# KiCad board k410t-devboard.kicad_pcb (continued)
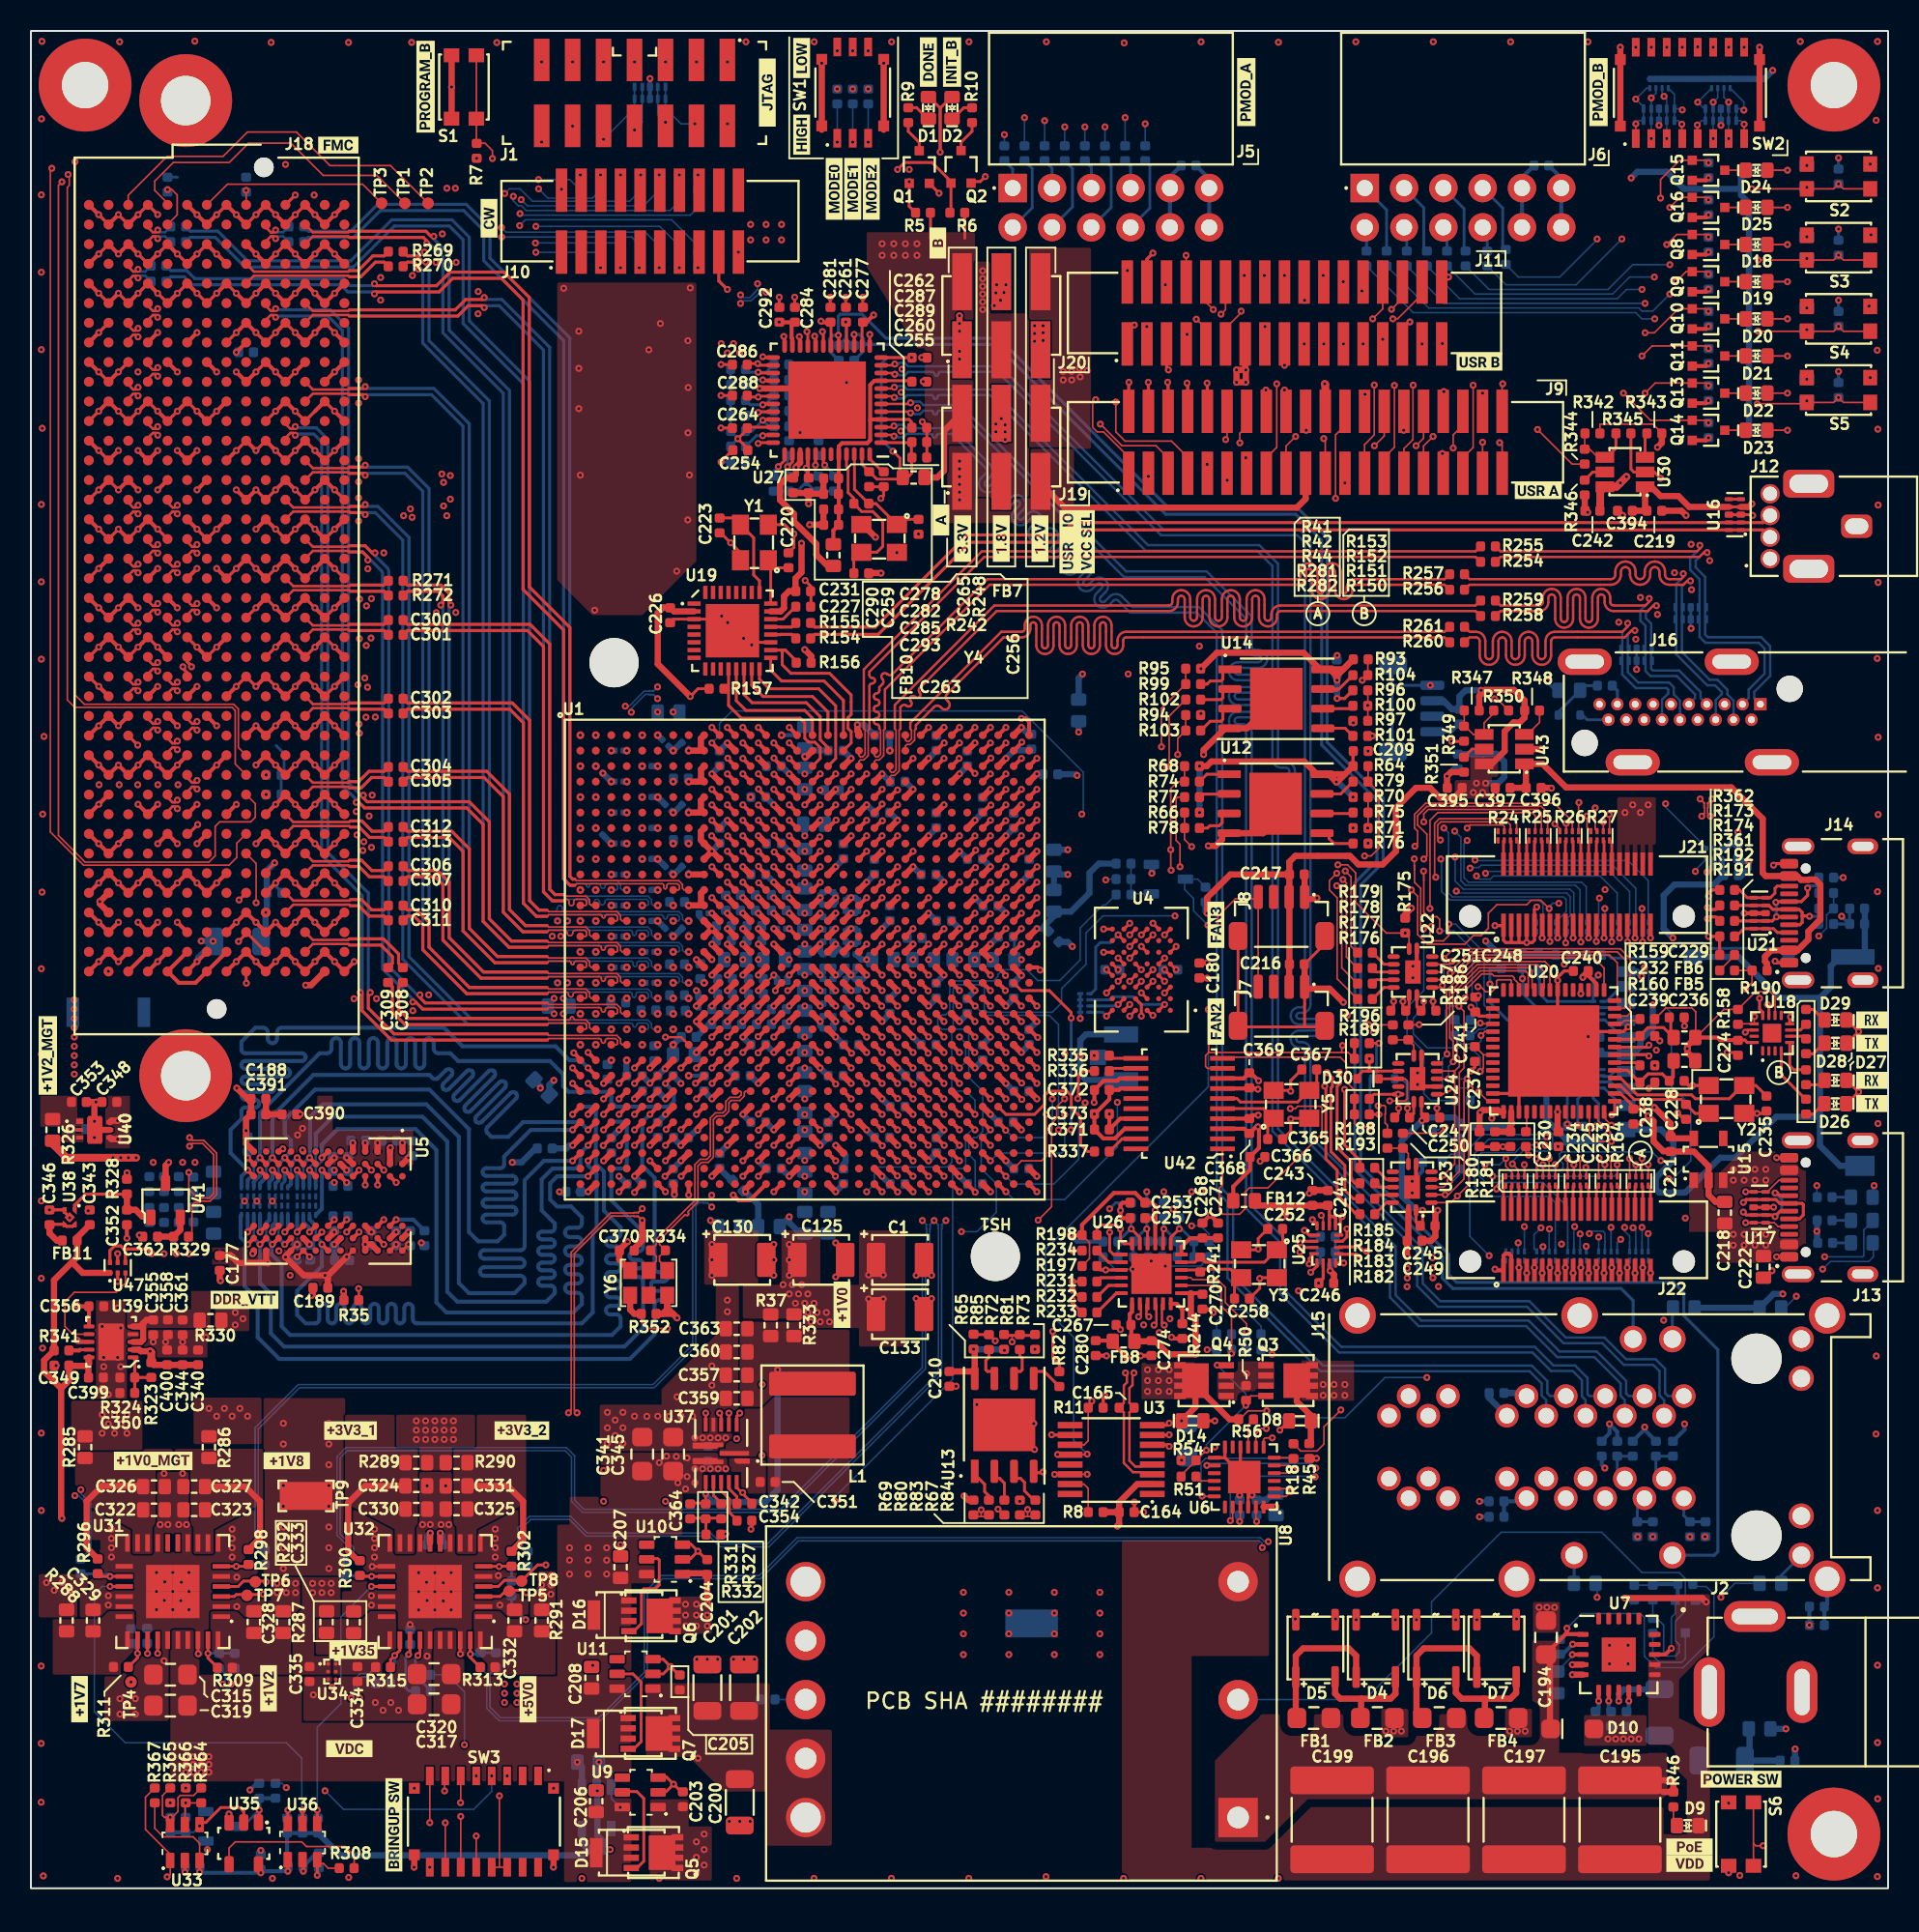
[diagram p0: board, top side]
## Routing (per net, layer and track width the routed paths; a pad name or vN(x,y) marks a point on that pad's centre or on a via; arc(x,y) is an arc through that point) (continued)
/FMC+ HSPC/FMC.IO21_P: length 66.3
  Top w0.16: v1(6.92,96.98) 6.78,96.83 6.61,96.83 6.29,97.15 J18.K10
  Top w0.256: U1.D14 48.02,71.98 v1(48.01,71.98)
  In5.Cu w0.1: 50.69,76.59 50.65,76.55 50.65,72.65 50.4,72.4 48.4,72.4 48,72
  In5.Cu w0.114: v1(6.92,96.98) 7.05,96.84 8.84,96.84 9.48,97.48 17.68,97.48 18.94,98.74 30.56,98.74 31.9,97.4 arc(32.05,97.34) 32.19,97.4 32.41,97.61 arc(32.75,97.76) 33.1,97.61 arc(33.25,97.26) 33.1,96.92 32.89,96.7 arc(32.83,96.56) 32.89,96.41 arc(33.04,96.35) 33.18,96.41 33.4,96.62 arc(33.74,96.77) 34.09,96.62 arc(34.24,96.27) 34.09,95.93 33.88,95.71 arc(33.82,95.57) 33.88,95.42 50.69,78.61 50.69,76.59
/FMC+ HSPC/FMC.IO22_N: length 93.4
  Top w0.16: v1(9.46,69.75) 9.32,69.9 9.15,69.9 8.83,69.58 8.83,69.39
  Top w0.256: U1.A13 v1(47,75)
  In3.Cu w0.114: v1(27.1,91.27) 27.1,91.04 28.25,89.88 28.25,89.13 arc(28.31,88.99) 28.46,88.93 28.9,88.93 arc(29.25,88.78) 29.4,88.43 arc(29.25,88.08) 28.9,87.94 27.32,87.94 arc(27.17,87.88) 27.11,87.73 arc(27.17,87.59) 27.32,87.53 28.9,87.53 arc(29.25,87.38) 29.4,87.03 arc(29.25,86.68) 28.9,86.54 27.32,86.54 arc(27.17,86.48) 27.11,86.33 arc(27.17,86.19) 27.32,86.13 28.9,86.13 arc(29.25,85.98) 29.4,85.63 arc(29.25,85.28) 28.9,85.14 27.32,85.14 arc(27.17,85.08) 27.11,84.93 arc(27.17,84.79) 27.32,84.73 28.9,84.73 arc(29.25,84.58) 29.4,84.23 arc(29.25,83.88) 28.9,83.74 28.46,83.74 arc(28.31,83.68) 28.25,83.53 28.25,81.77 arc(28.31,81.62) 28.46,81.56 28.9,81.56 arc(29.25,81.42) 29.4,81.07 arc(29.25,80.72) 28.9,80.57 27.32,80.57 arc(27.17,80.51) 27.11,80.37 arc(27.17,80.22) 27.32,80.16 28.9,80.16 arc(29.25,80.02) 29.4,79.67 arc(29.25,79.32) 28.9,79.17 28.46,79.17 arc(28.31,79.11) 28.25,78.97 28.25,78.45 26.98,77.17 arc(26.63,77.03) 26.28,77.17 25.98,77.47 arc(25.84,77.53) 25.69,77.47 arc(25.63,77.32) 25.69,77.18 26.78,76.09 arc(26.92,75.74) 26.78,75.39 arc(26.43,75.25) 26.08,75.39 24.99,76.48 arc(24.85,76.54) 24.7,76.48 arc(24.64,76.33) 24.7,76.19 25.79,75.1 arc(25.93,74.75) 25.79,74.4 arc(25.44,74.26) 25.09,74.4 24.79,74.7 arc(24.65,74.76) 24.5,74.7 20.96,71.16 13.26,71.16 11.44,69.34 10.32,69.34 9.77,69.89 9.59,69.89 v1(9.46,69.75)
  In5.Cu w0.1: v1(47,75) 46.6,74.6 44.79,74.6 44.6,74.79 44.6,76.55 44.64,76.59
  In5.Cu w0.114: 44.64,76.59 44.64,77.63 31.73,90.54 27.59,90.54 27.1,91.04 v1(27.1,91.27)
/FMC+ HSPC/FMC.IO22_P: length 93.7
  Top w0.16: v1(9.46,70.31) 9.32,70.16 9.15,70.16 8.83,70.48 8.83,70.66
  Top w0.256: U1.B13 v1(47,74)
  In3.Cu w0.114: v1(26.66,90.83) 26.9,90.83 27.97,89.77 27.97,89.13 arc(28.11,88.78) 28.46,88.64 28.9,88.64 arc(29.05,88.58) 29.11,88.43 arc(29.05,88.29) 28.9,88.23 27.32,88.23 arc(26.97,88.08) 26.82,87.73 arc(26.97,87.38) 27.32,87.24 28.9,87.24 arc(29.05,87.18) 29.11,87.03 arc(29.05,86.89) 28.9,86.83 27.32,86.83 arc(26.97,86.68) 26.82,86.33 arc(26.97,85.98) 27.32,85.84 28.9,85.84 arc(29.05,85.78) 29.11,85.63 arc(29.05,85.49) 28.9,85.43 27.32,85.43 arc(26.97,85.28) 26.82,84.93 arc(26.97,84.58) 27.32,84.44 28.9,84.44 arc(29.05,84.38) 29.11,84.23 arc(29.05,84.09) 28.9,84.03 28.46,84.03 arc(28.11,83.88) 27.97,83.53 27.97,81.77 arc(28.11,81.42) 28.46,81.27 28.9,81.27 arc(29.05,81.21) 29.11,81.07 arc(29.05,80.92) 28.9,80.86 27.32,80.86 arc(26.97,80.72) 26.82,80.37 arc(26.97,80.02) 27.32,79.87 28.9,79.87 arc(29.05,79.81) 29.11,79.67 arc(29.05,79.52) 28.9,79.46 28.46,79.46 arc(28.11,79.32) 27.97,78.97 27.97,78.57 26.77,77.38 arc(26.63,77.32) 26.48,77.38 26.19,77.67 arc(25.84,77.82) 25.49,77.67 arc(25.34,77.32) 25.49,76.97 26.57,75.89 arc(26.63,75.74) 26.57,75.6 arc(26.43,75.54) 26.28,75.6 25.2,76.68 arc(24.85,76.83) 24.5,76.68 arc(24.35,76.33) 24.5,75.98 25.58,74.9 arc(25.64,74.75) 25.58,74.61 arc(25.44,74.55) 25.29,74.61 25,74.9 arc(24.65,75.05) 24.3,74.9 20.84,71.44 13.14,71.44 12.35,70.65 arc(12.15,70.57) 11.96,70.65 11.84,70.77 arc(11.65,70.85) 11.45,70.77 arc(11.37,70.57) 11.45,70.38 11.57,70.26 arc(11.65,70.07) 11.57,69.87 11.32,69.62 10.44,69.62 9.89,70.17 9.59,70.17 v1(9.46,70.31)
  In5.Cu w0.1: v1(47,74) 46.6,74.4 44.71,74.4 44.4,74.71 44.4,76.55 44.36,76.59
  In5.Cu w0.114: 44.36,76.59 44.36,77.52 31.62,90.26 27.48,90.26 26.9,90.83 v1(26.66,90.83)
/FMC+ HSPC/FMC.IO23_N: length 65.9
  Top w0.16: v1(8.19,93.88) 8.05,94.03 7.88,94.03 7.56,93.71 7.56,93.52
  Top w0.256: U1.B15 v1(49,74)
  In5.Cu w0.1: v1(49,74) 49.4,73.6 49.61,73.6 49.82,73.81 49.82,76.55 49.78,76.59
  In5.Cu w0.114: v1(8.19,93.88) 8.32,94.02 8.91,94.02 9.55,94.66 10.1,94.66 arc(10.25,94.6) 10.3,94.46 10.3,94.43 arc(10.36,94.29) 10.5,94.23 arc(10.65,94.29) 10.7,94.43 10.7,94.46 arc(10.76,94.6) 10.9,94.66 12.67,94.66 13.94,95.93 17.67,95.93 18.94,94.66 22.06,94.66 arc(22.41,94.8) 22.55,95.15 22.55,95.48 arc(22.61,95.63) 22.76,95.69 arc(22.9,95.63) 22.96,95.48 22.96,95.15 arc(23.11,94.8) 23.46,94.66 arc(23.81,94.8) 23.95,95.15 23.95,95.48 arc(24.01,95.63) 24.16,95.69 arc(24.3,95.63) 24.36,95.48 24.36,95.15 arc(24.51,94.8) 24.86,94.66 arc(25.21,94.8) 25.35,95.15 25.35,95.48 arc(25.41,95.63) 25.56,95.69 arc(25.7,95.63) 25.76,95.48 25.76,95.15 arc(25.91,94.8) 26.26,94.66 arc(26.61,94.8) 26.75,95.15 26.75,95.48 arc(26.81,95.63) 26.96,95.69 arc(27.1,95.63) 27.16,95.48 27.16,95.15 arc(27.31,94.8) 27.66,94.66 arc(28.01,94.8) 28.15,95.15 28.15,95.48 arc(28.21,95.63) 28.36,95.69 arc(28.5,95.63) 28.56,95.48 28.56,95.15 arc(28.71,94.8) 29.06,94.66 arc(29.41,94.8) 29.55,95.15 29.55,95.48 arc(29.61,95.63) 29.76,95.69 arc(29.9,95.63) 29.96,95.48 29.96,95.15 arc(30.11,94.8) 30.46,94.66 32.79,94.66 49.78,77.67 49.78,76.59
/FMC+ HSPC/FMC.IO23_P: length 66.2
  Top w0.16: v1(8.19,94.44) 8.05,94.29 7.88,94.29 7.56,94.61 7.56,94.79
  Top w0.256: U1.C15 v1(49,73)
  In5.Cu w0.1: 50.06,76.59 50.02,76.55 50.02,73.73 49.69,73.4 49.4,73.4 v1(49,73)
  In5.Cu w0.114: v1(8.19,94.44) 8.32,94.3 8.79,94.3 9.43,94.94 12.55,94.94 13.82,96.21 17.79,96.21 19.06,94.94 22.06,94.94 arc(22.2,95) 22.26,95.15 22.26,95.48 arc(22.41,95.83) 22.76,95.97 arc(23.11,95.83) 23.25,95.48 23.25,95.15 arc(23.31,95) 23.46,94.94 arc(23.6,95) 23.66,95.15 23.66,95.48 arc(23.81,95.83) 24.16,95.97 arc(24.51,95.83) 24.65,95.48 24.65,95.15 arc(24.71,95) 24.86,94.94 arc(25,95) 25.06,95.15 25.06,95.48 arc(25.21,95.83) 25.56,95.97 arc(25.91,95.83) 26.05,95.48 26.05,95.15 arc(26.11,95) 26.26,94.94 arc(26.4,95) 26.46,95.15 26.46,95.48 arc(26.61,95.83) 26.96,95.97 arc(27.31,95.83) 27.45,95.48 27.45,95.15 arc(27.51,95) 27.66,94.94 arc(27.8,95) 27.86,95.15 27.86,95.48 arc(28.01,95.83) 28.36,95.97 arc(28.71,95.83) 28.85,95.48 28.85,95.15 arc(28.91,95) 29.06,94.94 arc(29.2,95) 29.26,95.15 29.26,95.48 arc(29.41,95.83) 29.76,95.97 arc(30.11,95.83) 30.25,95.48 30.25,95.15 arc(30.31,95) 30.46,94.94 32.91,94.94 50.06,77.79 50.06,76.59
/FMC+ HSPC/FMC.IO24_N: length 93.8
  Top w0.16: v1(8.19,74.83) 8.05,74.98 7.88,74.98 7.56,74.66 7.56,74.47
  Top w0.256: U1.A15 v1(49,75)
  In7.Cu w0.1: v1(49,75) 48.14,75 47.35,75.79 47.35,76.55 47.39,76.59
  In7.Cu w0.114: v1(8.19,74.83) 8.06,74.97 6.97,74.97 6.21,74.21 4.07,74.21 3.51,74.77 3.51,75.72 arc(3.66,76.09) 4.03,76.24 4.42,76.24 arc(4.59,76.31) 4.66,76.47 arc(4.59,76.64) 4.42,76.7 4.03,76.7 arc(3.66,76.86) 3.51,77.22 3.51,98.95 7.41,102.84 7.41,103.37 7.86,103.82 20.3,103.82 22.2,101.92 23.27,101.92 47.39,77.79 47.39,76.59
/FMC+ HSPC/FMC.IO24_P: length 93.5
  Top w0.16: v1(8.19,75.39) 8.05,75.24 7.88,75.24 7.56,75.56 7.56,75.74
  Top w0.256: U1.B14 v1(48,74)
  In7.Cu w0.1: v1(48,74) 48,74.86 47.15,75.71 47.15,76.55 47.11,76.59
  In7.Cu w0.114: v1(8.19,75.39) 8.06,75.25 7.91,75.25 arc(7.75,75.32) 7.68,75.49 7.68,75.69 arc(7.61,75.86) 7.45,75.93 arc(7.28,75.86) 7.22,75.69 7.22,75.49 arc(7.15,75.32) 6.98,75.25 6.85,75.25 6.09,74.49 4.19,74.49 3.8,74.89 3.8,75.72 arc(3.87,75.89) 4.03,75.95 4.42,75.95 arc(4.79,76.11) 4.94,76.47 arc(4.79,76.84) 4.42,76.99 4.03,76.99 arc(3.87,77.06) 3.8,77.22 3.8,98.83 7.69,102.73 7.69,103.25 7.98,103.53 20.19,103.53 22.09,101.63 23.15,101.63 47.11,77.68 47.11,76.59
/FMC+ HSPC/FMC.IO25: length 54.3
  Top w0.198: J18.K28 v1(6.9,73.86)
  Top w0.256: U1.F16 v1(51,70)
  In3.Cu w0.114: v1(6.9,73.86) 6.3,73.26 6.3,68.63 8.03,66.9 21.3,66.9 v1(21.45,67.05)
  In7.Cu w0.1: v1(51,70) U1.F16 49.68,69.5 49.5,69.32 49.5,68.65 49.25,68.4 43.85,68.4 43.33,67.87 23.3,67.87 22.28,66.85 21.65,66.85 v1(21.45,67.05)
/FMC+ HSPC/FMC.PRSNT_M2C: length 98.2
  Top w0.1: 8.83,107.49 9.45,108.12 9.45,109.4 9.1,109.75 v1(8.83,109.75)
  Top w0.256: U1.H19 v1(54,68)
  In7.Cu w0.1: v1(54,68) 54.6,67.4 56.5,67.4 57.6,68.5 57.6,86.6 58.3,87.3 58.3,99.4 54.3,103.4 50.9,103.4 49.3,105 49.3,108.2 46.1,111.4 33.2,111.4 31.9,112.7 21,112.7 16.82,108.53 10.05,108.53 v1(8.83,109.75)
/FMC+ HSPC/FMC.~{PERST}: length 113.8
  Top w0.256: U1.G19 v1(54,69) ; 13.91,99.87 v1(13.27,99.24)
  In3.Cu w0.1: v1(13.27,99.24) 6.76,99.24 6.3,99.7 6.3,105.8 6.6,106.1 17.4,106.1 17.7,106.4 17.7,108.8 v1(18.3,109.4)
  In7.Cu w0.1: v1(54,69) 54.6,68.4 54.6,67.8 54.8,67.6 56.4,67.6 57.4,68.6 57.4,86.7 58.1,87.4 58.1,99.3 54.2,103.2 50.7,103.2 49.1,104.8 49.1,107.9 45.9,111.1 32.9,111.1 31.6,112.4 21.3,112.4 v1(18.3,109.4)
/FMC+ HSPC/GTR_REFCLK0_R_N: length 9.9
  Top w0.16: 20.57,104.12 20.5,104.19 14.41,104.19 13.91,103.68
  Top w0.201: 20.57,104.12 21.31,104.12 22.26,105.07 22.81,105.07 23.09,104.79
/FMC+ HSPC/GTR_REFCLK0_R_P: length 9.9
  Top w0.16: 20.57,104.52 20.5,104.45 14.41,104.45 13.91,104.95
  Top w0.201: 20.57,104.52 21.15,104.52 22.09,105.47 22.81,105.47 23.09,105.74
/FMC+ HSPC/GTR_REFCLK1_R_N: length 7
  Top w0.16: 20.64,83.8 20.57,83.87 16.95,83.87 J18.B21
  Top w0.201: 23.09,83.52 22.81,83.8 20.64,83.8
/FMC+ HSPC/GTR_REFCLK1_R_P: length 7
  Top w0.16: 20.64,84.2 20.57,84.13 16.95,84.13 16.45,84.63
  Top w0.201: 20.64,84.2 22.81,84.2 23.09,84.48
/FMC+ HSPC/GTR_REFCLK2_R_N: length 2.1
  Top w0.16: J18.K05 6.29,103.87 6.61,104.19 6.78,104.19 v1(6.92,104.04)
  Bottom w0.16: 7.76,103.8 7.38,104.19 7.06,104.19 v1(6.92,104.04)
/FMC+ HSPC/GTR_REFCLK2_R_P: length 2.1
  Top w0.16: J18.K04 6.29,104.77 6.61,104.45 6.78,104.45 v1(6.92,104.6)
  Bottom w0.16: 7.76,104.83 7.38,104.45 7.06,104.45 v1(6.92,104.6)
/FMC+ HSPC/GTR_REFCLK3_R_N: length 2.1
  Top w0.16: v1(8.19,106.58) 8.05,106.73 7.88,106.73 7.56,106.41 7.56,106.22
  Bottom w0.16: v1(8.19,106.58) 8.34,106.73 8.67,106.73 9.03,106.36
/FMC+ HSPC/GTR_REFCLK3_R_P: length 2.1
  Top w0.16: v1(8.19,107.14) 8.05,106.99 7.88,106.99 7.56,107.31 7.56,107.49
  Bottom w0.16: 9.03,107.36 8.66,106.99 8.66,106.99 8.34,106.99 v1(8.19,107.14)
/FMC+ HSPC/GTX115.REFCLK0_N: length 59.5
  Top w0.201: v1(25.05,104.61) 25.05,104.79 24.77,105.07 24.33,105.07 24.06,104.79
  Bottom w0.1: 33.35,60.8 33.45,60.9 41.78,60.9 41.9,60.78 41.9,60.57 41.83,60.5 v1(41.5,60.5)
  Bottom w0.201: v1(25.05,104.61) 25.23,104.61 25.32,104.52 25.32,99.83 29.22,95.93 29.22,62.47 30.89,60.8 33.35,60.8
/FMC+ HSPC/GTX115.REFCLK0_P: length 59.8
  Top w0.201: v1(25.51,105.07) 25.33,105.07 24.94,105.47 24.33,105.47 24.06,105.74
  Bottom w0.1: v1(42.5,60.5) 42.21,60.5 42.1,60.61 42.1,60.86 41.86,61.1 33.45,61.1 33.35,61.2
  Bottom w0.201: 33.35,61.2 31.05,61.2 29.62,62.63 29.62,96.09 25.72,99.99 25.72,104.68 25.51,104.89 v1(25.51,105.07)
/FMC+ HSPC/GTX115.REFCLK1_N: length 42.2
  Top w0.201: 24.06,83.52 24.33,83.8 26.32,83.8 26.61,83.51 26.61,83.03 v1(26.49,82.9)
  Bottom w0.1: 33.35,58.8 33.45,58.9 41.78,58.9 41.9,58.78 41.9,58.59 41.81,58.5 v1(41.5,58.5)
  Bottom w0.201: 33.35,58.8 29.08,58.8 26.62,61.26 26.62,82.77 v1(26.49,82.9)
/FMC+ HSPC/GTX115.REFCLK1_P: length 42.5
  Top w0.201: v1(27.14,82.9) 27.01,83.03 27.01,83.67 26.48,84.2 24.33,84.2 24.06,84.48
  Bottom w0.1: v1(42.5,58.5) 42.17,58.5 42.1,58.57 42.1,58.86 41.86,59.1 33.45,59.1 33.35,59.2
  Bottom w0.201: 33.35,59.2 29.24,59.2 27.02,61.42 27.02,82.79 v1(27.14,82.9)
/FMC+ HSPC/GTX115.RX0_N: length 59.3
  Top w0.1: U1.AA3 37.83,54.5 37.9,54.57 37.9,54.78 37.78,54.9 37.24,54.9 arc(37.15,54.86) 37.11,54.78 37.11,54.73 arc(37.07,54.64) 36.99,54.6 arc(36.9,54.64) 36.86,54.73 36.86,54.78 arc(36.82,54.86) 36.74,54.9 33.45,54.9 33.35,54.8
  Top w0.16: J18.B13 16.45,93.71 16.77,94.03 16.94,94.03 v1(17.08,93.88)
  Top w0.201: v1(21.28,57.88) 21.4,57.75 21.4,56.7 23.3,54.8 33.38,54.8
  Bottom w0.201: v1(17.08,93.88) 17.16,93.96 18.27,93.96 18.78,93.45 18.78,66.75 21.4,64.14 21.4,58 v1(21.28,57.88)
/FMC+ HSPC/GTX115.RX0_P: length 59.2
  Top w0.1: 33.35,55.2 33.45,55.1 37.86,55.1 38.1,54.86 38.1,54.61 38.21,54.5 U1.AA4
  Top w0.16: v1(17.08,94.44) 16.94,94.29 16.77,94.29 16.45,94.61 J18.B12
  Top w0.201: 33.37,55.2 23.46,55.2 21.8,56.86 21.8,57.75 v1(21.93,57.88)
  Bottom w0.201: v1(17.08,94.44) 17.16,94.36 18.44,94.36 19.19,93.61 19.19,66.92 21.8,64.3 21.8,58 v1(21.93,57.88)
/FMC+ HSPC/GTX115.RX1_N: length 54.4
  Top w0.16: J18.B17 16.95,88.95 20.57,88.95 20.64,88.88 ; v1(21.6,88.75) 21.48,88.88
  Top w0.201: 20.64,88.88 21.48,88.88
  Bottom w0.1: 33.35,55.8 33.45,55.9 38.76,55.9 arc(38.85,55.86) 38.89,55.77 38.89,55.77 arc(38.92,55.68) 39.01,55.65 arc(39.1,55.68) 39.14,55.77 39.14,55.77 arc(39.17,55.86) 39.26,55.9 39.78,55.9 39.9,55.78 39.9,55.57 39.83,55.5 v1(39.5,55.5)
  Bottom w0.201: v1(21.6,88.75) 21.72,88.88 22.25,88.88 24.02,87.11 24.02,60.02 28.25,55.8 33.35,55.8
/FMC+ HSPC/GTX115.RX1_P: length 54.4
  Top w0.16: J18.B16 16.95,89.21 20.57,89.21 20.64,89.28
  Top w0.201: 20.64,89.28 21.48,89.28 v1(21.6,89.41)
  Bottom w0.1: v1(40.5,55.5) 40.21,55.5 40.1,55.61 40.1,55.86 39.86,56.1 33.45,56.1 33.35,56.2
  Bottom w0.201: v1(21.6,89.41) 21.72,89.28 22.42,89.28 24.43,87.27 24.43,60.19 28.41,56.2 33.35,56.2
/FMC+ HSPC/GTX115.RX2_N: length 49
  Top w0.1: U1.W3 37.83,56.5 37.9,56.57 37.9,56.78 37.78,56.9 37.24,56.9 arc(37.15,56.86) 37.11,56.78 37.11,56.73 arc(37.07,56.64) 36.99,56.6 arc(36.9,56.64) 36.86,56.73 36.86,56.78 arc(36.82,56.86) 36.74,56.9 33.45,56.9 33.35,56.8
  Top w0.16: 20.57,86.34 20.5,86.41 18.22,86.41 17.72,85.9
  Top w0.201: v1(24.68,57.27) 24.85,57.27 25.32,56.8 33.35,56.8 ; v1(21.77,85.82) 21.77,86 21.43,86.34 20.57,86.34
  Bottom w0.201: v1(21.77,85.82) 21.95,85.82 22.66,85.11 arc(22.7,85.04) 22.72,84.96 22.72,59.4 24.68,57.44 v1(24.68,57.27)
/FMC+ HSPC/GTX115.RX2_P: length 48.9
  Top w0.1: 33.35,57.2 33.45,57.1 37.86,57.1 38.1,56.86 38.1,56.61 38.21,56.5 U1.W4
  Top w0.16: 17.72,87.17 18.22,86.67 20.5,86.67 20.57,86.74
  Top w0.201: v1(22.23,86.28) 22.05,86.28 21.59,86.74 20.57,86.74 ; v1(25.13,57.72) 25.13,57.55 25.48,57.2 33.35,57.2
  Bottom w0.201: v1(25.13,57.72) 24.96,57.72 23.12,59.56 23.12,85.05 arc(23.09,85.2) 23,85.33 22.23,86.1 v1(22.23,86.28)
/FMC+ HSPC/GTX115.RX3_N: length 55
  Top w0.16: 17.72,90.98 18.22,91.49 20.5,91.49 20.57,91.42
  Top w0.201: 20.57,91.42 21.48,91.42 v1(21.6,91.29)
  Bottom w0.1: 33.35,57.8 33.45,57.9 38.73,57.9 arc(38.82,57.86) 38.85,57.77 38.85,57.68 arc(38.89,57.59) 38.98,57.55 arc(39.07,57.59) 39.1,57.68 39.1,57.77 arc(39.14,57.86) 39.23,57.9 39.78,57.9 39.9,57.78 39.9,57.57 39.83,57.5 v1(39.5,57.5)
  Bottom w0.201: 33.35,57.8 28.16,57.8 25.32,60.64 25.32,90.27 24.17,91.42 21.72,91.42 v1(21.6,91.29)
/FMC+ HSPC/GTX115.RX3_P: length 54.8
  Top w0.16: 20.57,91.82 20.5,91.75 18.22,91.75 17.72,92.25
  Top w0.201: v1(21.6,91.94) 21.47,91.82 20.57,91.82
  Bottom w0.1: 33.35,58.2 33.45,58.1 39.86,58.1 40.1,57.86 40.1,57.61 40.21,57.5 v1(40.5,57.5)
  Bottom w0.201: v1(21.6,91.94) 21.72,91.82 24.33,91.82 25.72,90.43 25.72,60.8 28.32,58.2 33.35,58.2
/FMC+ HSPC/GTX115.TX0_N: length 19.3
  Top w0.1: U1.T1 35.83,59.5 35.9,59.57 35.9,59.78 35.78,59.9 35.2,59.9 arc(35.13,59.87) 35.1,59.8 35.1,59.77 arc(35.07,59.7) 35,59.67 arc(34.93,59.7) 34.9,59.77 34.9,59.8 arc(34.87,59.87) 34.8,59.9 33.45,59.9 33.35,59.8
  Top w0.201: 33.35,59.8 29.98,59.8 27.92,61.85 27.92,66.99 27.02,67.89 24.33,67.89 24.06,67.62
/FMC+ HSPC/GTX115.TX0_P: length 19.4
  Top w0.1: U1.T2 36.21,59.5 36.1,59.61 36.1,59.86 35.86,60.1 33.45,60.1 33.35,60.2
  Top w0.201: 33.35,60.2 30.14,60.2 28.33,62.02 28.33,67.16 27.19,68.29 24.33,68.29 24.06,68.57
/FMC+ HSPC/GTX115.TX1_N: length 16.1
  Top w0.1: U1.V1 35.83,57.5 35.9,57.57 35.9,57.78 35.78,57.9 35.19,57.9 arc(35.08,57.86) 35.04,57.75 35.04,57.73 arc(34.99,57.63) 34.89,57.58 arc(34.78,57.63) 34.74,57.73 34.74,57.75 arc(34.69,57.86) 34.59,57.9 33.45,57.9 33.35,57.8
  Top w0.201: 33.35,57.8 28.16,57.8 25.32,60.64 25.32,62.24 24.75,62.81 24.33,62.81 24.06,62.54
/FMC+ HSPC/GTX115.TX1_P: length 16
  Top w0.1: U1.V2 36.21,57.5 36.1,57.61 36.1,57.86 35.86,58.1 33.45,58.1 33.35,58.2
  Top w0.201: 24.06,63.49 24.33,63.21 24.91,63.21 25.72,62.41 25.72,60.8 28.32,58.2 33.35,58.2
/FMC+ HSPC/GTX115.TX2_N: length 15.6
  Top w0.1: U1.Y1 35.83,55.5 35.9,55.57 35.9,55.78 35.78,55.9 33.45,55.9 33.35,55.8
  Top w0.201: 23.08,58.51 23.35,58.24 23.35,56.62 24.17,55.8 33.35,55.8
/FMC+ HSPC/GTX115.TX2_P: length 15.5
  Top w0.1: U1.Y2 36.21,55.5 36.1,55.61 36.1,55.86 35.86,56.1 35.16,56.1 arc(35.09,56.13) 35.06,56.2 35.06,56.21 arc(35.03,56.29) 34.96,56.31 arc(34.89,56.29) 34.86,56.21 34.86,56.2 arc(34.83,56.13) 34.76,56.1 33.45,56.1 33.35,56.2
  Top w0.201: 33.35,56.2 24.34,56.2 23.75,56.78 23.75,58.24 24.03,58.51
/FMC+ HSPC/GTX115.TX3_N: length 19.9
  Top w0.1: U1.U3 37.83,58.5 37.9,58.57 37.9,58.78 37.78,58.9 37.24,58.9 arc(37.15,58.86) 37.11,58.78 37.11,58.73 arc(37.07,58.64) 36.99,58.6 arc(36.9,58.64) 36.86,58.73 36.86,58.78 arc(36.82,58.86) 36.74,58.9 33.45,58.9 33.35,58.8
  Top w0.201: 33.35,58.8 29.08,58.8 26.62,61.25 26.62,64.83 26.1,65.35 24.33,65.35 24.06,65.08
/FMC+ HSPC/GTX115.TX3_P: length 19.8
  Top w0.1: 33.35,59.2 33.45,59.1 37.86,59.1 38.1,58.86 38.1,58.61 38.21,58.5 U1.U4
  Top w0.201: 33.35,59.2 29.24,59.2 27.03,61.42 27.03,65 26.27,65.75 24.33,65.75 24.06,66.03
/FMC+ HSPC/GTX116.REFCLK0_N: length 72
  Top w0.1: 35.14,64.8 35.24,64.9 40.79,64.9 arc(40.86,64.87) 40.89,64.8 40.89,64.67 arc(40.92,64.6) 40.99,64.57 arc(41.06,64.6) 41.09,64.67 41.09,64.8 arc(41.12,64.87) 41.19,64.9 41.78,64.9 41.9,64.78 41.9,64.57 41.83,64.5 U1.L7
  Top w0.201: 35.14,64.8 34.84,64.8 34.42,65.22 34.42,81.3 31.8,83.92 31.8,102.62 30.4,104.02 27.25,104.02 26.37,103.14 22.32,103.14 v1(22.2,103.02)
  Bottom w0.201: v1(22.2,103.02) 22.07,103.14 20.48,103.14 20.02,103.6 10.42,103.6 9.9,104.12 9.04,104.12 8.73,103.8
/FMC+ HSPC/GTX116.REFCLK0_P: length 71.8
  Top w0.1: U1.L8 42.21,64.5 42.1,64.61 42.1,64.86 41.86,65.1 35.24,65.1 35.14,65.2
  Top w0.201: 35.14,65.2 35.01,65.2 34.82,65.39 34.82,81.46 32.2,84.08 32.2,102.78 30.56,104.42 27.09,104.42 26.21,103.54 22.32,103.54 v1(22.2,103.67)
  Bottom w0.201: v1(22.2,103.67) 22.07,103.54 20.64,103.54 20.18,104 10.58,104 10.06,104.52 9.04,104.52 8.73,104.83
/FMC+ HSPC/GTX116.REFCLK1_N: length 76.3
  Bottom w0.1: 33.35,62.8 33.45,62.9 40.74,62.9 arc(40.83,62.86) 40.87,62.77 40.87,62.75 arc(40.9,62.66) 40.99,62.63 arc(41.08,62.66) 41.12,62.75 41.12,62.77 arc(41.15,62.86) 41.24,62.9 41.78,62.9 41.9,62.78 41.9,62.57 41.83,62.5 v1(41.5,62.5)
  Bottom w0.201: 10,106.36 10.3,106.66 11.91,106.66 13.83,104.75 20.83,104.75 23.48,107.4 27.04,107.4 27.92,106.51 27.92,101.1 31.82,97.21 31.82,63.64 32.66,62.8 33.35,62.8
/FMC+ HSPC/GTX116.REFCLK1_P: length 76.7
  Bottom w0.1: v1(42.5,62.5) 42.21,62.5 42.1,62.61 42.1,62.86 41.86,63.1 34.52,63.1 arc(34.4,63.15) 34.35,63.27 34.35,63.31 arc(34.3,63.44) 34.17,63.49 arc(34.05,63.44) 34,63.31 34,63.27 arc(33.95,63.15) 33.82,63.1 33.45,63.1 33.35,63.2
  Bottom w0.201: 10,107.36 10.3,107.07 12.08,107.07 13.99,105.15 20.67,105.15 23.32,107.8 27.2,107.8 28.33,106.68 28.33,101.27 32.22,97.37 32.22,63.81 32.83,63.2 33.35,63.2
/FMC+ HSPC/GTX116.RX0_N: length 58
  Top w0.16: 20.57,96.5 20.5,96.57 18.22,96.57 17.72,96.06
  Top w0.201: v1(21.6,96.37) 21.48,96.5 20.57,96.5
  Bottom w0.1: v1(39.5,59.5) 39.83,59.5 39.9,59.57 39.9,59.78 39.78,59.9 39.29,59.9 arc(39.2,59.86) 39.16,59.77 39.16,59.67 arc(39.12,59.58) 39.04,59.55 arc(38.95,59.58) 38.91,59.67 38.91,59.77 arc(38.87,59.86) 38.79,59.9 33.45,59.9 33.35,59.8
  Bottom w0.201: 33.35,59.8 29.98,59.8 27.92,61.86 27.92,94.46 25.88,96.5 21.72,96.5 v1(21.6,96.37)
/FMC+ HSPC/GTX116.RX0_P: length 57.9
  Top w0.16: 17.72,97.33 18.22,96.83 20.5,96.83 20.57,96.9
  Top w0.201: v1(21.6,97.03) 21.47,96.9 20.57,96.9
  Bottom w0.1: 33.35,60.2 33.45,60.1 39.86,60.1 40.1,59.86 40.1,59.61 40.21,59.5 v1(40.5,59.5)
  Bottom w0.201: v1(21.6,97.03) 21.72,96.9 26.04,96.9 28.32,94.62 28.32,62.02 30.14,60.2 33.35,60.2
/FMC+ HSPC/GTX116.RX1_N: length 60.8
  Top w0.16: 17.72,101.14 18.22,101.65 20.5,101.65 20.57,101.58
  Top w0.201: 20.57,101.58 27.58,101.58 28.25,102.25 29.17,102.25 v1(29.29,102.12)
  Bottom w0.1: 34.41,63.8 34.51,63.9 35.87,63.9 arc(35.99,63.85) 36.04,63.72 36.04,63.71 arc(36.09,63.59) 36.22,63.54 arc(36.34,63.59) 36.39,63.71 36.39,63.72 arc(36.44,63.85) 36.57,63.9 arc(36.69,63.85) 36.74,63.72 36.74,63.71 arc(36.79,63.59) 36.92,63.54 arc(37.04,63.59) 37.09,63.71 37.09,63.72 arc(37.14,63.85) 37.27,63.9 39.78,63.9 39.9,63.78 39.9,63.57 39.83,63.5 v1(39.5,63.5)
  Bottom w0.201: 34.41,63.8 33.7,63.8 33.12,64.38 33.12,99.39 30.26,102.25 29.41,102.25 v1(29.29,102.12)
/FMC+ HSPC/GTX116.RX1_P: length 60.3
  Top w0.16: 20.57,101.98 20.5,101.91 18.22,101.91 17.72,102.41
  Top w0.201: 20.57,101.98 27.42,101.98 28.09,102.65 29.17,102.65 v1(29.29,102.78)
  Bottom w0.1: v1(40.5,63.5) 40.21,63.5 40.1,63.61 40.1,63.86 39.86,64.1 34.51,64.1 34.41,64.2
  Bottom w0.201: v1(29.29,102.78) 29.41,102.65 30.42,102.65 33.52,99.55 33.52,64.54 33.86,64.2 34.41,64.2
/FMC+ HSPC/GTX116.RX2_N: length 64.8
  Top w0.16: 17.72,106.22 18.22,106.73 20.5,106.73 20.57,106.66
  Top w0.201: v1(25.57,106.27) 25.57,106.45 25.36,106.66 20.57,106.66
  Bottom w0.1: v1(39.5,61.5) 39.83,61.5 39.9,61.57 39.9,61.78 39.78,61.9 39.24,61.9 arc(39.15,61.86) 39.11,61.77 39.11,61.69 arc(39.08,61.6) 38.99,61.56 arc(38.9,61.6) 38.86,61.69 38.86,61.77 arc(38.83,61.86) 38.74,61.9 33.45,61.9 33.35,61.8
  Bottom w0.201: 33.35,61.8 31.79,61.8 30.52,63.07 30.52,96.6 26.62,100.5 26.62,105.4 25.75,106.27 v1(25.57,106.27)
/FMC+ HSPC/GTX116.RX2_P: length 64.7
  Top w0.16: 20.57,107.06 20.5,106.99 18.22,106.99 17.72,107.49
  Top w0.201: v1(26.03,106.73) 25.85,106.73 25.52,107.06 20.57,107.06
  Bottom w0.1: 33.35,62.2 33.45,62.1 39.86,62.1 40.1,61.86 40.1,61.61 40.21,61.5 v1(40.5,61.5)
  Bottom w0.201: 33.35,62.2 31.95,62.2 30.92,63.23 30.92,96.76 27.02,100.66 27.02,105.56 26.03,106.55 v1(26.03,106.73)
/FMC+ HSPC/GTX116.RX3_N: length 62.1
  Top w0.1: U1.R3 37.83,60.5 37.9,60.57 37.9,60.78 37.78,60.9 37.24,60.9 arc(37.15,60.86) 37.11,60.77 37.11,60.73 arc(37.07,60.64) 36.99,60.6 arc(36.9,60.64) 36.86,60.73 36.86,60.77 arc(36.82,60.86) 36.74,60.9 33.45,60.9 33.35,60.8
  Top w0.16: v1(15.81,101.5) 15.67,101.65 15.5,101.65 15.18,101.33 15.18,101.14
  Top w0.201: v1(21.02,70.17) 21.19,70.17 21.56,69.8 28.16,69.8 29.22,68.74 29.22,62.47 30.89,60.8 33.35,60.8
  Bottom w0.201: v1(15.81,101.5) 15.89,101.58 19.19,101.58 20.12,100.65 20.12,71.24 21.02,70.34 v1(21.02,70.17)
/FMC+ HSPC/GTX116.RX3_P: length 62.1
  Top w0.1: U1.R4 38.21,60.5 38.1,60.61 38.1,60.86 37.86,61.1 33.45,61.1 33.35,61.2
  Top w0.16: 15.18,102.41 15.18,102.23 15.5,101.91 15.67,101.91 v1(15.81,102.06)
  Top w0.201: v1(21.48,70.63) 21.48,70.45 21.73,70.2 28.32,70.2 29.62,68.9 29.62,62.63 31.05,61.2 33.35,61.2
  Bottom w0.201: v1(21.48,70.63) 21.3,70.63 20.52,71.41 20.52,100.81 19.35,101.98 15.89,101.98 v1(15.81,102.06)
/FMC+ HSPC/GTX116.TX0_N: length 21.6
  Top w0.1: 33.35,61.8 33.45,61.9 34.48,61.9 arc(34.61,61.85) 34.66,61.72 34.66,61.71 arc(34.71,61.59) 34.83,61.54 arc(34.96,61.59) 35.01,61.71 35.01,61.72 arc(35.06,61.85) 35.18,61.9 35.78,61.9 35.9,61.78 35.9,61.57 35.83,61.5 U1.P1
  Top w0.201: 24.06,71.49 24.33,71.77 29.28,71.77 30.52,70.53 30.52,63.07 31.79,61.8 33.35,61.8
/FMC+ HSPC/GTX116.TX0_P: length 21.5
  Top w0.1: 33.35,62.2 33.45,62.1 35.86,62.1 36.1,61.86 36.1,61.61 36.21,61.5 U1.P2
  Top w0.201: 24.06,72.44 24.33,72.17 29.45,72.17 30.92,70.69 30.92,63.23 31.95,62.2 33.35,62.2
/FMC+ HSPC/GTX116.TX1_N: length 27.3
  Top w0.1: 33.35,62.8 33.45,62.9 36.8,62.9 arc(36.87,62.87) 36.9,62.8 36.9,62.79 arc(36.93,62.72) 37,62.69 arc(37.07,62.72) 37.1,62.79 37.1,62.8 arc(37.13,62.87) 37.2,62.9 37.78,62.9 37.9,62.78 37.9,62.57 37.83,62.5 U1.N3
  Top w0.201: 24.06,75.9 24.33,76.18 30.94,76.18 31.82,75.3 31.82,63.64 32.66,62.8 33.35,62.8
/FMC+ HSPC/GTX116.TX1_P: length 27.4
  Top w0.1: U1.N4 38.21,62.5 38.1,62.61 38.1,62.86 37.86,63.1 33.45,63.1 33.35,63.2
  Top w0.201: 24.06,76.86 24.33,76.58 31.1,76.58 32.22,75.46 32.22,63.81 32.83,63.2 33.35,63.2
/FMC+ HSPC/GTX116.TX2_N: length 29.8
  Top w0.1: U1.M1 35.83,63.5 35.9,63.57 35.9,63.78 35.78,63.9 35.22,63.9 arc(35.11,63.86) 35.07,63.75 35.07,63.63 arc(35.03,63.52) 34.92,63.48 arc(34.81,63.52) 34.77,63.63 34.77,63.75 arc(34.73,63.86) 34.62,63.9 34.51,63.9 34.41,63.8
  Top w0.201: 34.41,63.8 33.7,63.8 33.12,64.38 33.12,80.23 32.09,81.26 24.33,81.26 24.06,80.98
/FMC+ HSPC/GTX116.TX2_P: length 29.5
  Top w0.1: 34.41,64.2 34.51,64.1 35.86,64.1 36.1,63.86 36.1,63.61 36.21,63.5 U1.M2
  Top w0.201: 24.06,81.94 24.33,81.66 32.25,81.66 33.52,80.39 33.52,64.54 33.86,64.2 34.41,64.2
/FMC+ HSPC/GTX116.TX3_N: length 62
  Bottom w0.1: v1(37.5,64.5) 37.83,64.5 37.9,64.57 37.9,64.78 37.78,64.9 37.26,64.9 arc(37.15,64.86) 37.11,64.75 arc(37.07,64.64) 36.96,64.6 arc(36.85,64.64) 36.81,64.75 arc(36.77,64.86) 36.66,64.9 36.2,64.9 arc(36.13,64.87) 36.1,64.8 36.1,64.78 arc(36.07,64.71) 36,64.68 arc(35.93,64.71) 35.9,64.78 35.9,64.8 arc(35.87,64.87) 35.8,64.9 35.24,64.9 35.14,64.8